# Altium PCB STM32unitV1.PcbDoc (part 4 of 4)
Units mm, origin at the board's own origin, x right, y up, seen from the top; angles counter-clockwise.
Board outline 206 x 142 mm, 2 copper layers (Top Layer, Bottom Layer); 234 components, 216 nets, 930 pads, 890 vias.
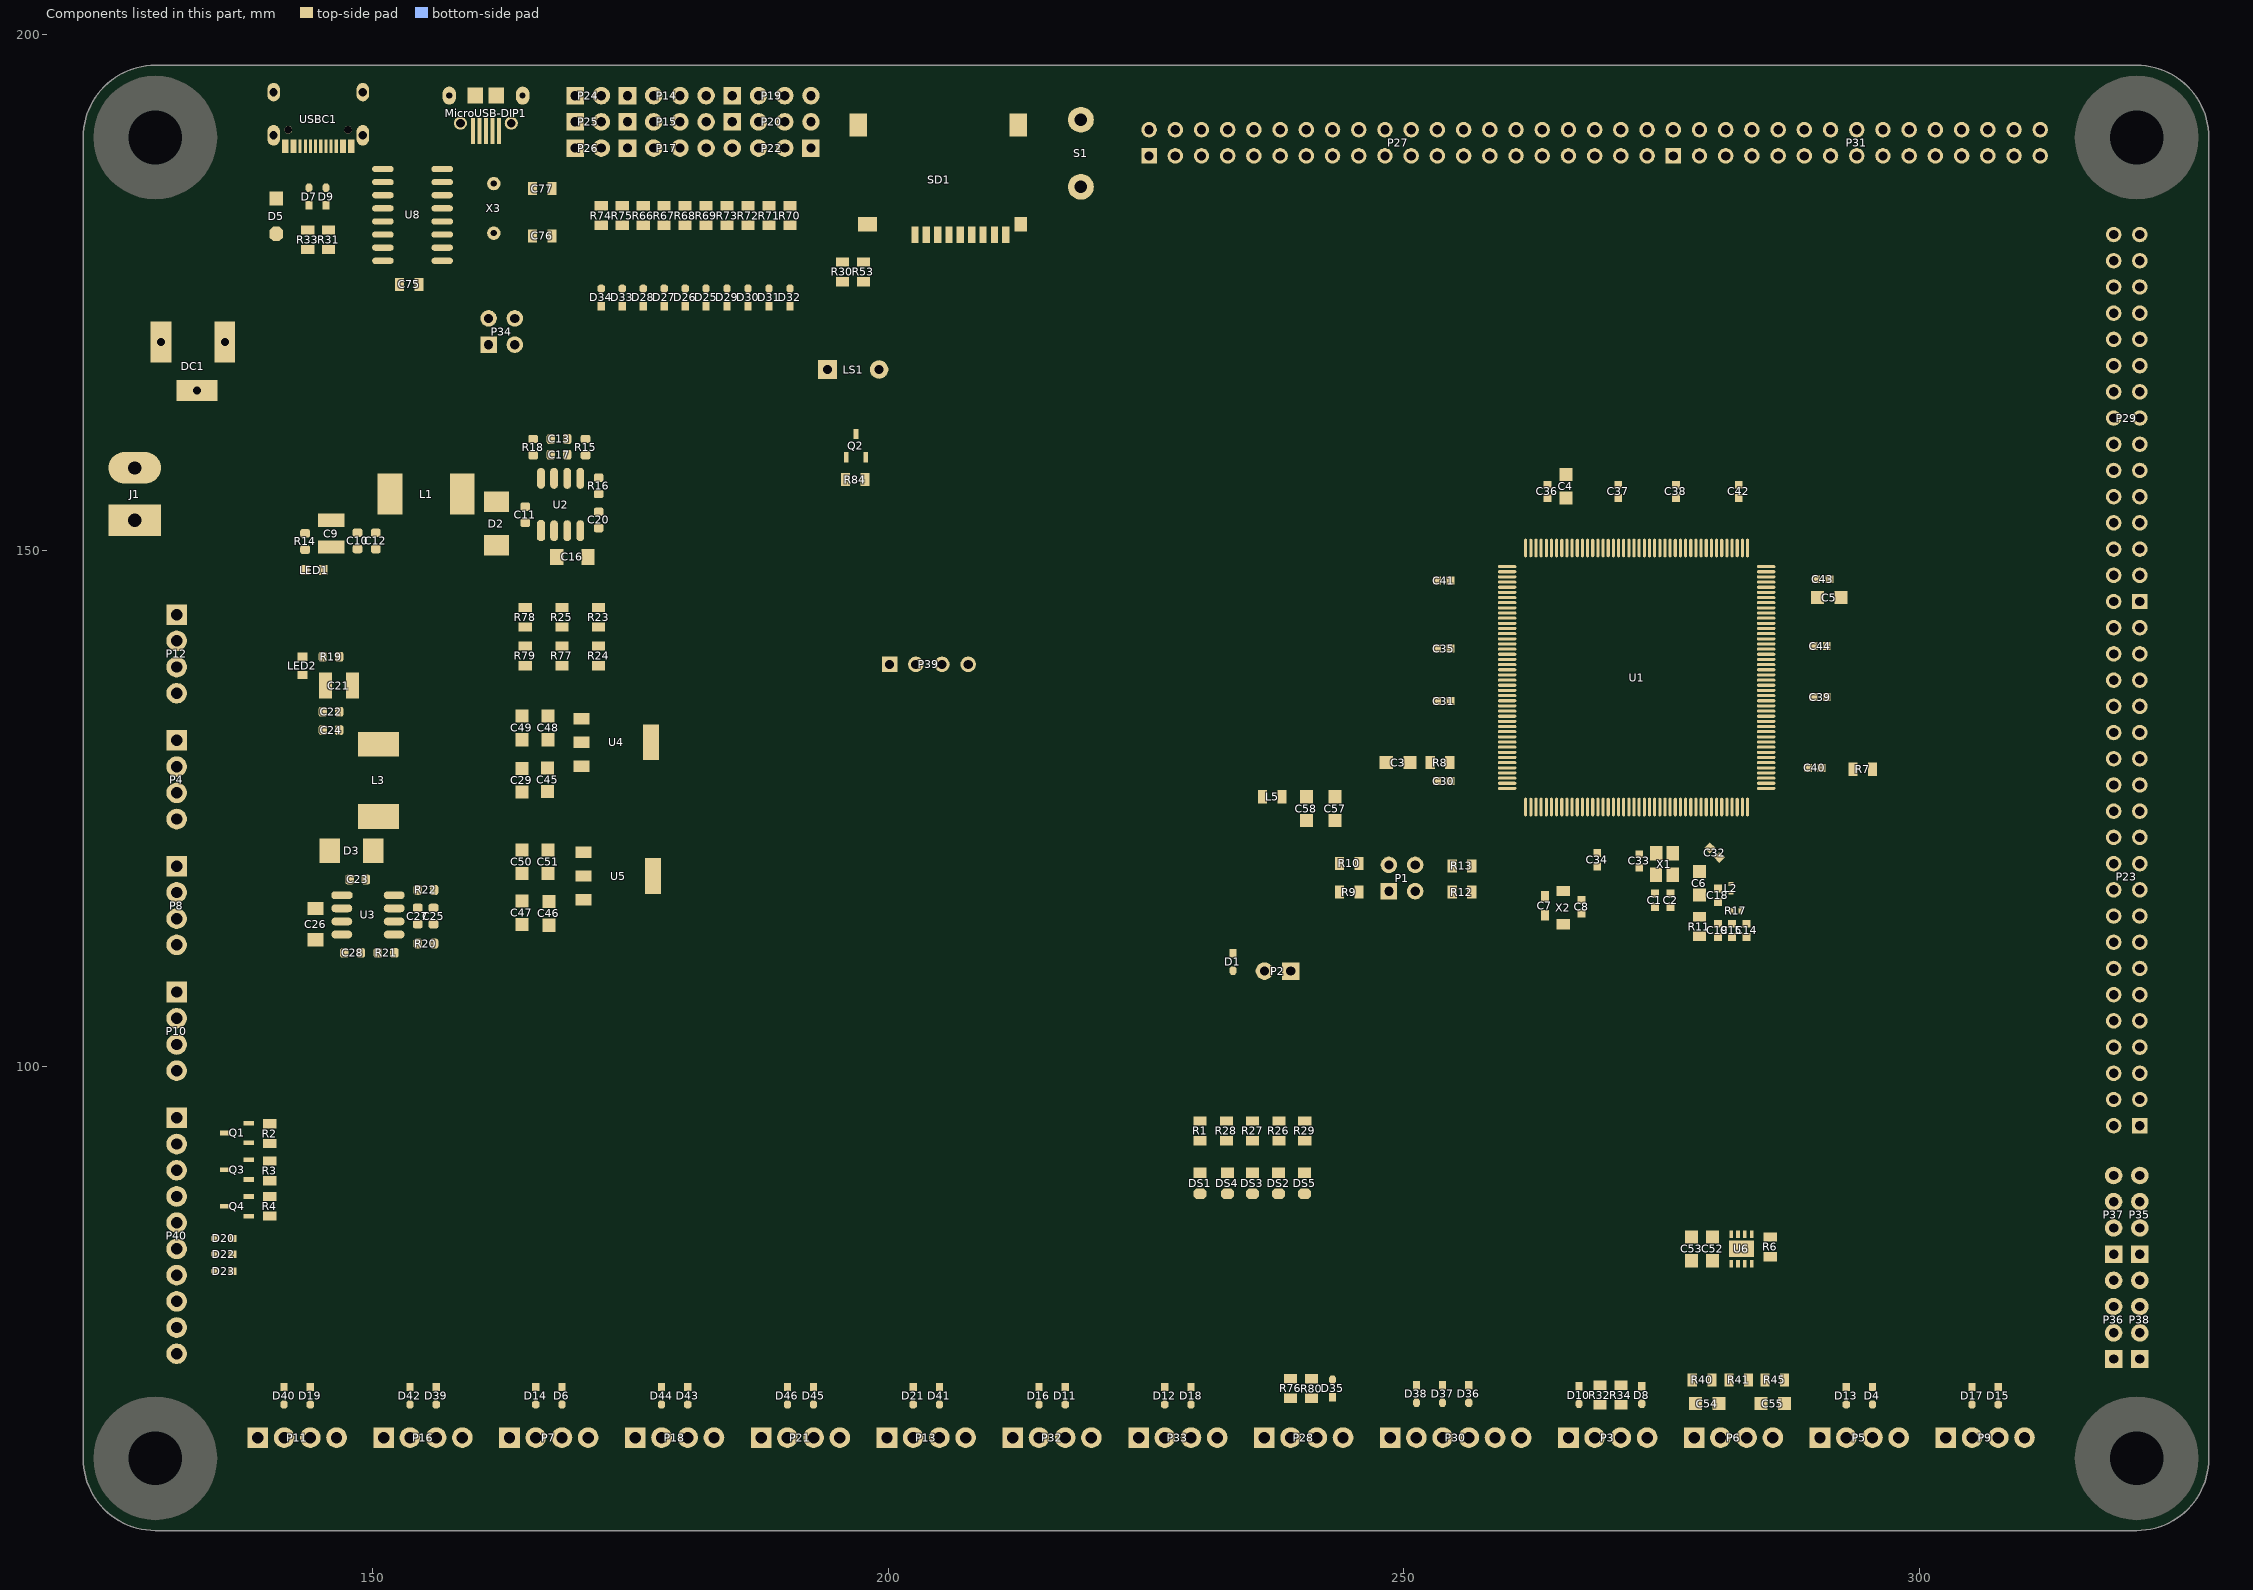
[diagram p4: the components of this part, seen from the top]

## Silkscreen, mask and mechanical layers (free items; w line width, h text height)
Top Overlay:
  circle w0.2: c258.572,100.076 r10.851
  lines w0.127: 165.5,188 166,188 166,189.5 166.5,189.5 166.5,188 167,188 167,189.5 167.5,189.5 167.5,188 168,188
  lines w0.254: 247.904,98.298 245.11,101.092 232.156,101.092 230.124,103.124 230.124,111.506 231.902,113.284 250.698,113.284 252.984,110.998 258.572,110.998 ; 317.495,80.534 314.701,80.534 314.701,70.374 317.622,70.374 ; 317.5,90.678 314.706,90.678 314.706,80.518 317.627,80.518 ; 322.453,80.518 325.374,80.518 325.374,70.358 322.58,70.358 ; 322.455,90.653 325.376,90.653 325.376,80.493 322.582,80.493 ; 185.42,96.52 187.96,93.98 220.98,93.98 223.52,96.52 223.52,139.7 220.98,142.24 187.96,142.24 185.42,139.7 185.42,96.52
  text "G" at 166.119,193.283 h2.54
  text "I7" at 226.06,192.788 h2.54 r90
  text "I5" at 228.577,192.788 h2.54 r90
  text "E1" at 231.14,192.788 h2.54 r90
  text "B9" at 233.657,192.788 h2.54 r90
  text "B7" at 236.22,192.788 h2.54 r90
  text "B5" at 238.737,192.788 h2.54 r90
  text "B3" at 241.277,192.788 h2.54 r90
  text "G14" at 243.817,192.788 h2.54 r90
  text "G12" at 246.357,192.788 h2.54 r90
  text "G10" at 248.897,192.788 h2.54 r90
  text "D7" at 251.46,192.788 h2.54 r90
  text "D5" at 253.977,192.788 h2.54 r90
  text "D3" at 256.517,192.788 h2.54 r90
  text "D1" at 259.08,192.788 h2.54 r90
  text "C12" at 261.597,192.788 h2.54 r90
  text "C10" at 264.137,192.788 h2.54 r90
  text "A14" at 266.7,192.786 h2.54 r90
  text "I2" at 269.24,192.788 h2.54 r90
  text "I0" at 271.757,192.788 h2.54 r90
  text "H14" at 274.32,192.788 h2.54 r90
  text "A12" at 276.86,192.786 h2.54 r90
  text "A10" at 279.123,192.786 h2.54 r90
  text "A8" at 281.919,192.786 h2.54 r90
  text "C8" at 284.457,192.788 h2.54 r90
  text "C6" at 286.997,192.788 h2.54 r90
  text "G8" at 289.537,192.788 h2.54 r90
  text "G6" at 292.077,192.788 h2.54 r90
  text "G4" at 294.617,192.788 h2.54 r90
  text "G2" at 297.157,192.788 h2.54 r90
  text "D14" at 299.72,192.788 h2.54 r90
  text "D12" at 302.26,192.788 h2.54 r90
  text "D10" at 304.777,192.788 h2.54 r90
  text "D8" at 307.319,192.788 h2.54 r90
  text "B14" at 309.88,192.788 h2.54 r90
  text "B12" at 312.42,192.788 h2.54 r90
  text "5" at 166.5,190.523 h2.54
  text "10-CH SERVO IFS" at 171.503,185.028 h3
  text "I6" at 226.037,183.136 h2.54 r90
  text "I4" at 228.6,183.136 h2.54 r90
  text "E0" at 231.117,183.136 h2.54 r90
  text "B8" at 233.659,183.136 h2.54 r90
  text "B6" at 236.197,183.136 h2.54 r90
  text "B4" at 238.76,183.136 h2.54 r90
  text "G15" at 241.277,183.136 h2.54 r90
  text "G13" at 243.817,183.136 h2.54 r90
  text "G11" at 246.357,183.136 h2.54 r90
  text "G9" at 248.897,183.136 h2.54 r90
  text "D6" at 251.437,183.136 h2.54 r90
  text "D4" at 254,183.136 h2.54 r90
  text "D2" at 256.54,183.136 h2.54 r90
  text "D0" at 259.057,183.136 h2.54 r90
  text "C11" at 261.597,183.136 h2.54 r90
  text "A15" at 264.137,183.134 h2.54 r90
  text "I3" at 266.677,183.136 h2.54 r90
  text "I1" at 269.24,183.136 h2.54 r90
  text "H15" at 271.756,183.136 h2.54 r90
  text "H13" at 274.297,183.136 h2.54 r90
  text "A13" at 276.837,183.134 h2.54 r90
  text "A11" at 279.146,183.134 h2.54 r90
  text "A9" at 281.917,183.134 h2.54 r90
  text "C9" at 284.457,183.136 h2.54 r90
  text "C7" at 286.997,183.136 h2.54 r90
  text "G7" at 289.537,183.136 h2.54 r90
  text "G5" at 291.823,183.136 h2.54 r90
  text "G3" at 294.617,183.136 h2.54 r90
  text "D15" at 297.157,183.136 h2.54 r90
  text "D13" at 299.697,183.136 h2.54 r90
  text "D11" at 302.26,183.136 h2.54 r90
  text "D9" at 304.777,183.136 h2.54 r90
  text "D15" at 307.317,183.136 h2.54 r90
  text "B13" at 309.857,183.136 h2.54 r90
  text "H12" at 312.42,183.136 h2.54 r90
  text "RESET" at 215.903,181.384 h3
  text "H10" at 323.344,179.855 h2.54
  text "H11" at 313.692,179.832 h2.54
  text "H9" at 313.692,177.315 h2.54
  text "H8" at 323.344,177.313 h2.54
  text "MICRO-SD" at 202.002,177.023 h2.54
  text "USB-TTL" at 161,175.023 h2.54
  text "SDIO Device" at 202,175.023 h2.54
  text "H6" at 323.344,174.775 h2.54
  text "H7" at 313.692,174.752 h2.54
  text "B10" at 323.344,172.235 h2.54
  text "B11" at 313.692,172.212 h2.54
  text "E15" at 313.692,169.695 h2.54
  text "E14" at 323.344,169.672 h2.54
  text "DC 7V-24V" at 141.004,167.537 h4
  text "E13" at 313.692,167.155 h2.54
  text "E12" at 323.344,167.132 h2.54
  text "E10" at 323.344,164.615 h2.54
  text "E11" at 313.692,164.592 h2.54
  text "E9" at 313.692,162.075 h2.54
  text "E8" at 323.344,162.073 h2.54
  text "G1" at 323.344,159.535 h2.54
  text "E7" at 313.692,159.512 h2.54
  text "G0" at 313.692,156.995 h2.54
  text "F15" at 323.344,156.995 h2.54
  text "F13" at 323.344,154.455 h2.54
  text "F14" at 313.692,154.432 h2.54
  text "F12" at 313.692,151.892 h2.54
  text "F11" at 323.344,151.892 h2.54
  text "B1" at 323.344,149.352 h2.54
  text "BT1" at 313.692,149.098 h2.54
  text "B0" at 313.692,146.835 h2.54
  text "C5" at 323.344,146.835 h2.54
  text "A7" at 323.342,144.272 h2.54
  text "C4" at 313.692,144.041 h2.54
  text "A6" at 313.69,141.755 h2.54
  text "A5" at 323.342,141.755 h2.54
  text "GND" at 134.135,141.73 h2.54 r270
  text "A3" at 323.342,139.215 h2.54
  text "A4" at 313.69,139.192 h2.54
  text "H5" at 313.692,136.675 h2.54
  text "H4" at 323.344,136.652 h2.54
  text "G 3 C D" at 199.901,135.41 h3
  text "H3" at 313.692,134.135 h2.54
  text "H2" at 323.344,134.112 h2.54
  text "IIC3" at 202.187,132.87 h3
  text "A2" at 313.69,131.572 h2.54
  text "A1" at 323.342,131.572 h2.54
  text "PW OUT" at 133.881,131.316 h2.54 r270
  text "A0" at 313.69,129.055 h2.54
  text "C3" at 323.344,129.055 h2.54
  text "C2" at 313.692,126.515 h2.54
  text "C1" at 323.344,126.515 h2.54
  text "C0" at 313.692,123.975 h2.54
  text "F10" at 323.344,123.975 h2.54
  text "F9" at 313.692,121.435 h2.54
  text "F8" at 323.344,121.433 h2.54
  text "F6" at 323.344,118.895 h2.54
  text "F7" at 313.692,118.872 h2.54
  text "BOOT0" at 225.555,118.646 h3
  text "5V M" at 133.881,118.11 h2.54 r270
  text "G" at 258.067,117.503 h3
  text "F5" at 313.692,116.355 h2.54
  text "F4" at 323.344,116.332 h2.54
  text "BOOT1" at 225.555,116.106 h3
  text "F3" at 313.692,113.815 h2.54
  text "F2" at 323.344,113.792 h2.54
  text "F0" at 323.344,111.275 h2.54
  text "F1" at 313.692,111.252 h2.54
  text "I10" at 323.344,108.735 h2.54
  text "I11" at 313.692,108.712 h2.54
  text "I9" at 313.692,106.195 h2.54
  text "C13" at 323.344,106.195 h2.54
  text "BAT Li-ion 3V" at 234.698,105.429 h2
  text "5V S" at 133.881,105.156 h2.54 r270
  text "I8" at 313.692,103.653 h2.54
  text "E6" at 323.344,103.655 h2.54
  text "E5" at 313.692,101.115 h2.54
  text "E4" at 323.344,101.092 h2.54
  text "STM32F407IGT6" at 273.558,99.36 h5
  text "BAT" at 256.289,98.806 h3.5
  text "E3" at 313.692,98.575 h2.54
  text "E2" at 323.344,98.552 h2.54
  text "BOX" at 133.352,97.559 h2.54
  text "3V3" at 312.674,96.035 h2.54
  text "3V3" at 323.342,96.035 h2.54
  text "PW" at 134.368,95.377 h2.54
  text "GND" at 312.295,93.495 h2.54
  text "GND" at 323.344,93.495 h2.54
  text "F5" at 145.036,90.193 h2.54
  text "F4" at 145.036,88.392 h2.54
  text "F3" at 145.036,86.637 h2.54
  text "F2" at 145.036,84.836 h2.54
  text "3V3" at 316.461,83.947 h2.54 r90
  text "GND" at 324.97,83.695 h2.54 r90
  text "F1" at 145.036,83.058 h2.54
  text "SN:F06082020210106101" at 151.5,83 h2
  text "PW" at 231.013,82.171 h2.54 r90
  text "3V3" at 233.657,82.169 h2.54 r90
  text "5VM" at 236.197,82.169 h2.54 r90
  text "5VS" at 238.483,82.169 h2.54 r90
  text "STA" at 241.023,82.169 h2.54 r90
  text "F0" at 145.036,81.303 h2.54
  text "UART4" at 138.938,76.613 h3.5
  text "UART5" at 150.622,76.522 h3.5
  text "GND" at 133.225,76.477 h2.54
  text "USART6" at 162.306,76.486 h3.5
  text "IIC1" at 176.787,76.477 h3.5
  text "IIC2" at 188.979,76.486 h3.5
  text "ADC1-4" at 198.374,76.477 h3.5
  text "MQ2" at 213.109,76.486 h3.5
  text "DHT11" at 224.031,76.477 h3.5
  text "ADC1-13" at 234.442,76.477 h3.5
  text "SPI2" at 252.476,76.486 h3.5
  text "SWD" at 267.208,76.486 h3.5
  text "CAN" at 279.149,76.486 h3.5
  text "USART2" at 289.56,76.486 h3.5
  text "USART3" at 301.498,76.486 h3.5
  text "5V0" at 133.477,74.064 h2.54
  text "P T R G" at 138.687,73.946 h3.5
  text "P T R G" at 150.879,73.946 h3.5
  text "P T R G" at 162.817,73.946 h3.5
  text "P C D G" at 174.755,73.946 h3.5
  text "P C D G" at 187.455,73.946 h3.5
  text "P IN G" at 199.901,73.946 h3.5
  text "P IO G" at 212.093,73.946 h3.5
  text "P IO G" at 224.285,73.946 h3.5
  text "P IN G" at 236.223,73.946 h3.5
  text "P OI IO CK GG" at 246.637,73.946 h3.5
  text "P D C G" at 265.687,73.946 h3.5
  text "P H L G" at 277.625,73.946 h3.5
  text "P T R G" at 289.817,73.946 h3.5
  text "P T R G" at 302.263,73.946 h3.5
  text "5V0" at 316.715,73.914 h2.54 r90
  text "GND" at 324.97,73.281 h2.54 r90
  text "3V3" at 133.477,71.778 h2.54
Bottom Overlay:
  lines w0.2: 129,62 321,62 321,190 129,190 129,62

## Dimensions
129,190 to 129,62 on Top Overlay
129,190 to 321,190 on Top Overlay

## Text inside footprints (layer, text, board x,y; h text height)
Designator8: Top Overlay "b" at 195.422,85.4 h2.3; Top Overlay "p" at 193.697,86.125 h2.3
LED1: Top Overlay "+" at 142.215,147.676 h1.27
LED2: Top Overlay "+" at 142.85,140.98 h1.27 r270